# Altium PCB novena_evt1_a.PcbDoc (part 3 of 12) (continued)
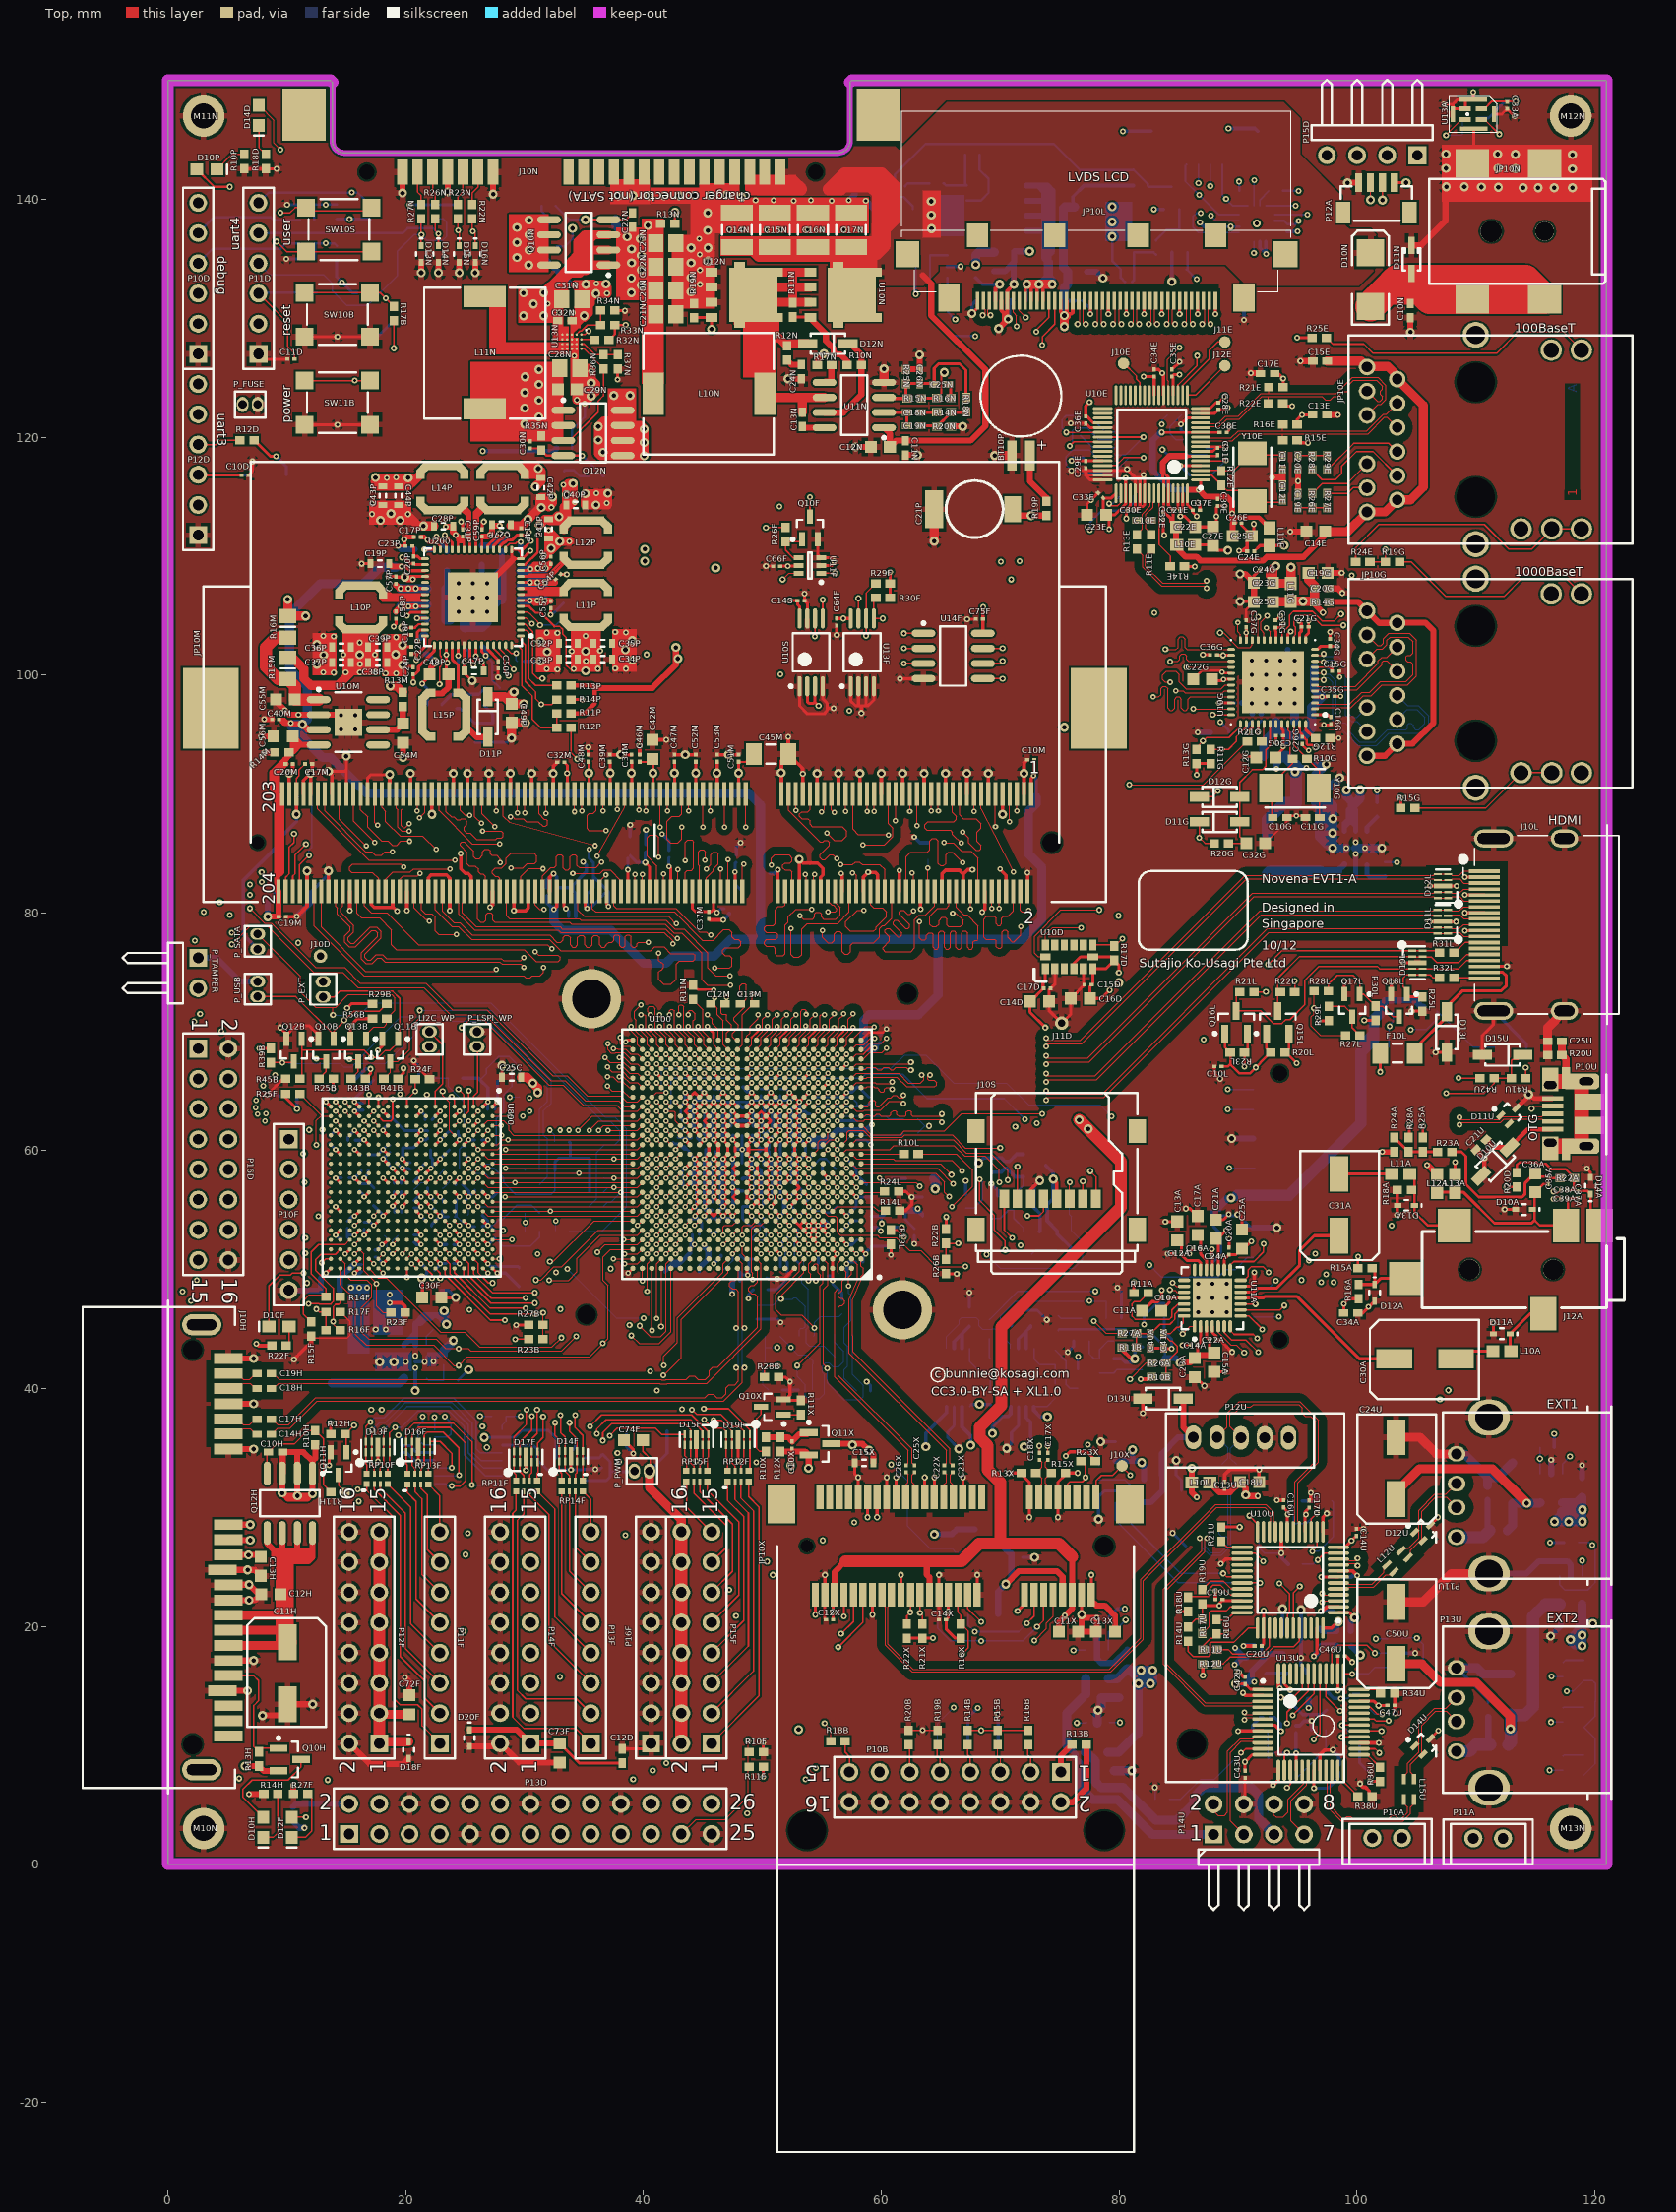
[diagram p0: Top view]
## Part data
BT10P: library part Battery, "Panasonic Manganese Lithium Rechargeable battery"
C10A C10B C10D C10E C10F C10G C10H C10L C10M C10N C10P C10S C10U C10X C11A C11B C11D C11E C11F C11G C11L C11N C11P C11S C11U C11X C12A C12B C12D C12E C12F C12G C12H C12L C12M C12N C12P C12S C12U C12X C13A C13B C13D C13E C13F C13G C13H C13L C13M C13N C13P C13S C13U C13X C14A C14B C14D C14E C14F C14G C14H C14L C14M C14N C14P C14S C14U C14X C15A C15D C15E C15F C15G C15H C15L C15N C15P C15U C15X C16A C16D C16E C16F C16G C16L C16M C16N C16P C16U C16X C17A C17D C17E C17F C17G C17H C17L C17N C17P C17U C17X C18A C18D C18E C18F C18G C18H C18L C18M C18N C18P C18U C18X C19A C19D C19E C19F C19G C19H C19L C19N C19P C19U C19X C20A C20E C20F C20G C20H C20L C20M C20N C20P C20U C20X C21A C21E C21F C21G C21L C21N C21U C21X C22A C22E C22F C22G C22L C22N C22P C22U C22X C23A C23E C23F C23G C23L C23N C23P C23U C23X C24A C24E C24F C24G C24M C24N C24P C24X C25A C25E C25F C25G C25M C25N C25P C25U C25X C26A C26E C26F C26G C26M C26N C26P C26U C26X C27A C27E C27F C27G C27M C27N C27P C27U C27X C28A C28E C28F C28G C28N C28P C28X C29A C29E C29F C29G C29N C29P C29U C30E C30F C30G C30N C30P C30U C31E C31F C31G C31N C31P C31U C32A C32E C32F C32G C32N C32P C32U C33A C33E C33F C33G C33P C34A C34E C34F C34G C34P C35A C35E C35F C35G C35P C36A C36E C36F C36G C36P C37A C37E C37F C37G C37P C37U C38A C38E C38F C38P C38U C39A C39E C39F C39G C39P C39U C40A C40F C40G C40M C40P C40U C41A C41F C41M C41P C41U C42F C42M C42P C42U C43F C43M C43P C43U C44F C44M C44P C44U C45F C45M C45P C45U C46F C46M C46P C46U C47F C47M C47P C47U C48F C48M C48P C48U C49F C49M C49P C49U C50F C50M C50P C51F C51M C51P C51U C52F C52M C52P C52U C53F C53M C53P C53U C54F C54M C54P C54U C55F C55M C55P C55U C56F C56M C56P C56U C57F C57P C58F C58P C59F C59P C60F C60P C61F C62F C63F C64F C65F C66F C67F C68F C69F C70F C71F C72F C73F C74F C75F: library part "Cap Semi", "Capacitor (Semiconductor SIM Model)"
C10C C11C C12C C13C C14C C15C C16C C19C C20C C21C C23C C24C C26C C27C C28C C28U C30C C31C C32C C33C C33U C35C C36C C36U C37C C38C C39C C40C C41C C43C C44C C45C C46C C47C C48C C49C C53C C54C C55C C56C C57C C58C C59C C62C C66C C68C C70C C71C C72C C73C C74C C75C C76C C77C C78C C79C C81C C82C C84C C85C C86C C87C C88C C89C C90C C91C C92C C93C: library part CAP_NP_Dup1, "CAP CER 0.22UF 6.3V 20% X5R 0201"
C11H C24U C30A C31A C50U: library part "Cap Pol3", "Polarized Capacitor (Surface Mount)"
C11M C15M C16H C17M C19M C21H C21M C22M C23M C28M C29M C30M C31M C32M C33M C34M C35M C36M C37M C38M C39M: library part "Cap Semi", "CAP CER 0.22UF 6.3V 20% X5R 0201"
C17C C34U C50C C61C C67C C80C: library part CAP_NP_Dup1, "CAP CER 10UF 6.3V 10% X5R 0603"
C18C C22C C25C C29C C34C C42C C51C C60C C65C: library part CAP_NP_Dup1, "22uF, 10V, X5R, 20%"
C21P: library part "Cap Pol3", "Taiyo Yuden PAS414HR-VA5R"
C52C: library part C
C63C C64C: library part CAP_NP_Dup1, "0.01uF, 10V, X5R"
C69C: library part CAP_NP_Dup1, "CAP CER 2.2UF 25V 10% X5R 0603"
D10A D11A D12A D12D D13A D13D D13N D14A D14N D15N D16N D18F D20F: library part Tranzorb, "On Semi 3.3V standoff TVS diode"
D10C D10D D10G D10N D11D D11F D11G D11P D12G D12N: library part "D Schottky", "Schottky Diode"
D10F D10H D10P D10X D11X D12F D12X D14D: library part LED2, "Typical RED, GREEN, YELLOW, AMBER GaAs LED"
D10U D13L D13U D15U D16U D17U D21F: library part Tranzorb, "Tranzorb"
D11N: library part BIDIR_ESD, "Bidirectional zener diode, Vz 17.1V nom"
D11U D12U D14U: "2-channel ESD/CDE protection device for 5V devices"
F10L: library part FUSE0805, "BelFuse, 50mA hold, 150mA trip"
J10C J10D J10E J10P J10X J11C J11D J11E J12C J12D J12E J13D J14D J15D M10N M11N M12N M13N: library part CON1, "Connector"
J10H J10N: library part SATA_22P_HEADER, "SATA+Power connector"
J10L: library part "Header 19", "Molex HDMI connector, Type A"
J10S: library part MICRO_SD, "Captive Micro-SD card for firmware images"
J12A: library part "Phonejack4 TN", "Jack Socket, 3.5mm, SMT, 4-conductor"
JP10E JP10G: library part UDE_CORP_26-21024JA13-1, "10/100/1000BT + magnetics, symmetric, tab up, with LEDs"
JP10L: library part HRS_FX15S-41S-0.5SH, "41-pin header"
JP10M: library part DDR3_SODIMM, "TE Connectivity 2013311 or equiv (9.2mm height)"
JP10N: library part PWR2.5, "Low Voltage Power Supply Connector"
JP10S: library part HRS_DM1AA_SF_PEJ(21), "SD card connector"
JP10X: library part MINI_PCIE, "Mini PCI-express, e.g. TE 1717831"
L10A L10E L10F L10G L10N L10P L10U L10X L11A L11E L11G L11N L11P L11U L12A L12G L12P L13A L13P L13U L14P L14U L15P: library part "Inductor Iron", "Magnetic-Core Inductor"
L12U L15U: library part USB_EMI_CHOKE, "USB common mode EMI choke (90 ohms)"
P10A P11A P_EXT P_FUSE P_LI2C_WP P_LSPI_WP P_PWM P_SATA P_USB: library part "Header 2", "Header, 2-Pin"
P10B P12F P14F P15F P16D: library part "Header 8X2", "Header, 8-Pin, Dual row"
P10D P10F P11D P12D: library part "Header 6", "Header, 6-Pin"
P10U: library part USB_MINI-AB_1, "Micro USB B type connector, i.e. FCI 10103594"
P11F P13F P16F: library part "Header 8", "Header, 8-Pin"
P11U P13U: library part "Header 4", "Header, 4-Pin"
P12A P15D: library part "Header 4H", "Header, 4-Pin, Right Angle"
P12U: library part "Header 5", "Two items: wifi card plus 5-pin, 2mm pitch male pin header, 3.5 to 4mm tall pins"
P13D: library part "Header 13X2", "Header, 13-Pin, Dual row"
P14D: library part TFT_TP_CON
P14U: library part "Header 4X2H", "Header, 4-Pin, Dual row, Right Angle"
P_TAMPER: library part "Header 2H", "Header, 2-Pin, Right Angle"
Q10A Q10B Q10F Q10S Q10X Q11B Q11H Q11N Q12A Q12B Q12L Q12S Q13B Q13L Q13N Q14L Q15L Q16L Q17L Q18L: library part MOSFET-N, "N-Channel MOSFET"
Q10H Q11A Q11S Q11X Q12X: library part MOSFET-P, "P-Channel MOSFET"
Q10L Q10N Q11L Q12H Q12N: "Singre P-channel FET, 8A, 30V"
R10A R10B R10D R10E R10F R10G R10H R10L R10M R10N R10P R10S R10U R10X R11A R11B R11D R11E R11F R11G R11H R11L R11M R11N R11P R11S R11U R11X R12A R12D R12E R12F R12G R12H R12L R12M R12N R12P R12S R12U R12X R13A R13B R13D R13E R13F R13G R13H R13L R13M R13N R13P R13S R13U R13X R14A R14B R14D R14E R14F R14G R14H R14L R14M R14N R14P R14S R14U R14X R15A R15B R15D R15E R15F R15G R15H R15L R15M R15N R15P R15U R15X R16A R16B R16D R16E R16F R16G R16L R16M R16N R16P R16S R16U R16X R17A R17B R17E R17F R17G R17L R17N R17P R17S R17U R17X R18A R18B R18D R18E R18F R18G R18L R18N R18P R18S R18U R18X R19A R19B R19D R19E R19F R19G R19L R19N R19P R19S R19U R19X R20A R20B R20D R20E R20F R20G R20L R20N R20U R20X R21A R21E R21F R21G R21L R21N R21U R21X R22A R22B R22E R22F R22L R22N R22X R23A R23B R23E R23F R23L R23N R23U R23X R24A R24E R24F R24L R24N R24U R25A R25B R25E R25F R25N R25U R26A R26B R26E R26F R26L R26N R26U R27A R27B R27E R27F R27L R27N R27U R28A R28B R28E R28F R28L R28N R28U R29A R29B R29E R29F R29L R29N R29U R30F R30L R30N R30U R31A R31L R31U R32A R32B R32L R32N R32U R33B R33N R33U R34A R34B R34N R34U R35B R35N R35U R36B R36N R36U R37B R37N R38B R38N R38U R39B R39U R40B R40U R41B R41U R42B R42U R43B R44B R45B R46B R47B R48B R49B R50B R51B R52B R53B R54B R55B R56B R57B: library part Res1, "Resistor"
R17D R22U R37U: library part Res3, "Resistor"
R25L: library part RES#1
RP10F RP11F RP12F RP13F RP14F RP15F: library part RPACK4
SW10B SW10S SW11B: library part "Header 4", "Chi Fung TS-1187A"
U10A U12A: library part NSIWAY_NS4890, "1W 8 ohm low-cost amplifier"
U10D: library part FREESCALE_MMA7455L, "3-axis accelerometer, 10 bit, selectable g-range"
U10E: library part AX88772B_28
U10F U11G: library part LMR10515XSD, "NatSemi 1.5A step-down regulator in LLP"
U10G: library part KSZ9021_0, "Gigabit Ethernet PHY"
U10L U12U U15U U16U: "IC LIN SW W/FLAG 500MA 2.0-5.5V SOT23-5"
U10M: "1.8A sink/source bus termination regulator (VTT)"
U10N U12N: library part NTMFS4841N, "N channel power MOSFET, 30V, 57A SO-8FL"
U10S U13F: library part AT24C08, "8kbit (1kx8) I2C EEPROM"
U10U U13U: library part GLI8024-48_4, "4-port multiple-TT hub with USB charging support"
U10X: library part "ISO7816 (SIM card)", "ISO 7816 SIM card socket"
U11A: library part Everest_ES8328, "Low-cost audio CODEC by Everest"
U11D: "4-wire resistive touchscreen controller"
U11E: library part 93c66_0
U11F: library part SN74AUP1T98DBV, "Single-supply voltage translator, multiple logic function"
U11N: "Synchronous PWM controller, 4.7-28V in, 0.6V ref"
U11U U14U: "1.5A high-side power switch, active low enable"
U12F: library part ADCxx8Sxx2, "12-input SPI ADC, bits & sample rate pin compatible across family"
U13A: "ST Micro silicon microphone, PDM digital output"
U13N: "2.4MHz 5A Sync buck regulator, integrated FET"
U14F: library part EN25P05-50GCP, "512 Mbit (64Kbyte) SPI NOR FLASH, Eon Semi"
U15F: library part LP2980M5, "50 mA SOT-23 regulator"
U100: library part PCIMX6Q6VV1A, "PCIMX6Q5EVT10AC"
U200: "PMIC for i.MX6 series"
U800: "Spartan-6 LX 1.2V FPGA, 200 User I/Os, 324-Ball Chip-Scale BGA (0.8mm Pitch), Speed Grade 2, Commercial Grade, Pb-Free"
Y10B Y10E Y10G Y10U Y11B Y11U: library part XTAL, "Crystal Oscillator"

## Free pads (board coordinates)
  round 1 hole 1.549 unplated: 0(35.2,46.2) 0(62.2,73.2)
  round 5 / inner round 4.2 / far side round 7.3 hole 3.2: 0(35.619,72.781) 0(61.781,46.619)
  rect 2.54x0.051 on Top Overlay: 1(57.877,39.483) 1(57.877,39.533) 1(57.877,39.584) 1(57.877,39.635) 1(57.877,39.686) 1(57.877,39.737) 1(57.877,39.787) 1(57.877,39.838) 1(57.877,39.889) 1(57.877,39.94) 1(57.877,39.991) 1(57.877,40.041) 1(57.978,40.245) 1(62.296,40.245) 1(62.398,39.432) 1(62.398,39.483) 1(62.398,39.533) 1(62.398,39.584) 1(62.398,39.635) 1(62.398,39.838) 1(62.398,39.889) 1(62.398,39.94) 1(62.398,39.991) 1(62.398,40.041)
  rect 2.591x0.051 on Top Overlay: 1(57.902,39.33) 1(57.902,39.381) 1(57.902,39.432) 1(57.902,40.092) 1(57.902,40.143) 1(57.953,39.279) 1(62.322,39.279) 1(62.373,39.33) 1(62.373,39.381) 1(62.373,40.092) 1(62.373,40.143) 1(62.373,40.194) 1(88.348,79.01) 1(88.348,79.061)
  rect 2.642x0.051 on Top Overlay: 1(57.928,40.194)
  rect 0.102x0.051 on Top Overlay: 1(57.978,42.531) 1(59.045,37.298) 1(61.23,37.298) 1(62.296,42.531) 1(82.379,81.601) 1(82.582,82.77) 1(83.242,80.077) 1(83.496,82.82) 1(84.461,82.008) 1(86.392,79.417) 1(86.646,81.754) 1(86.646,81.804) 1(87.103,78.706) 1(87.509,83.024) 1(87.763,82.719) 1(88.068,82.617) 1(88.475,82.617) 1(89.338,81.449) 1(89.44,77.994)
  rect 0.152x0.051 on Top Overlay: 1(58.004,36.993) 1(62.271,36.993) 1(82.76,82.566) 1(83.776,81.703) 1(84.03,81.144) 1(84.487,82.058) 1(84.538,82.109) 1(84.588,82.16) 1(84.639,82.211) 1(84.69,80.026) 1(84.741,82.312) 1(84.893,82.516) 1(84.995,83.024) 1(85.655,78.452) 1(85.655,82.82) 1(86.824,81.5) 1(87.027,82.617) 1(87.687,81.195) 1(87.738,82.77) 1(87.941,82.465) 1(87.992,82.516) 1(87.992,82.922) 1(88.043,82.566) 1(89.008,78.706) 1(89.414,78.807) 1(89.414,81.703) 1(89.414,81.754) 1(89.414,81.804) 1(89.414,81.855) 1(89.414,81.906) 1(89.414,81.957) 1(89.414,82.008) 1(89.414,82.058) 1(89.414,82.109) 1(89.414,82.16) 1(89.414,82.211) 1(89.414,82.262) 1(89.414,82.617) 1(89.414,82.668) 1(89.414,82.719) 1(89.414,82.77) 1(89.414,82.82) 1(89.414,82.871) 1(89.465,80.077) 1(89.922,78.096) 1(89.922,78.147) 1(89.922,78.198) 1(89.922,78.248) 1(89.922,78.299) 1(89.922,78.35) 1(89.922,78.401) 1(89.922,78.452) 1(89.922,78.502)
  rect 0.254x0.051 on Top Overlay: 1(58.004,37.044) 1(58.004,42.48) 1(59.02,37.349) 1(61.255,37.349) 1(62.271,37.044) 1(62.271,42.48) 1(82.353,78.452) 1(82.404,78.502) 1(82.455,78.553) 1(82.455,81.652) 1(82.506,78.604) 1(82.506,81.703) 1(82.556,78.655) 1(82.607,78.706) 1(82.607,81.754) 1(82.658,78.756) 1(82.709,81.804) 1(82.76,78.909) 1(82.76,81.855) 1(82.81,78.96) 1(82.861,81.906) 1(82.912,81.957) 1(82.963,82.008) 1(83.014,82.058) 1(83.064,82.109) 1(83.217,82.262) 1(83.268,82.312) 1(83.318,79.976) 1(83.318,82.363) 1(83.369,82.465) 1(83.42,82.109) 1(83.42,82.516) 1(83.471,82.617) 1(83.572,82.008) 1(83.623,81.957) 1(83.674,81.906) 1(83.725,81.804) 1(83.725,81.855) 1(83.928,77.436) 1(84.08,81.093) 1(84.639,81.5) 1(84.741,81.55) 1(84.792,79.925) 1(84.792,81.601) 1(84.842,79.874) 1(84.893,79.823) 1(84.893,81.652) 1(84.944,81.703) 1(84.995,81.754) 1(85.046,82.973) 1(85.096,82.871) 1(85.096,82.922) 1(85.554,82.465) 1(85.655,78.553) 1(85.655,82.668) 1(86.417,79.468) 1(86.468,79.518) 1(86.519,77.385) 1(86.519,82.465) 1(86.722,82.312) 1(86.773,82.262) 1(86.773,82.871) 1(86.824,81.55) 1(86.925,82.77) 1(86.976,82.719) 1(87.179,78.756) 1(87.382,81.957) 1(87.433,82.008) 1(87.535,82.058) 1(87.586,82.109) 1(87.636,82.16) 1(87.636,82.922) 1(87.687,82.211) 1(87.687,82.871) 1(88.195,78.96) 1(88.246,79.214) 1(88.246,79.264) 1(88.246,79.315) 1(88.246,79.366) 1(88.246,79.417) 1(88.246,79.468) 1(88.246,79.518) 1(88.449,80.077) 1(88.5,80.179) 1(88.5,81.652) 1(88.551,80.23) 1(88.652,81.754) 1(88.703,81.804) 1(89.059,78.655) 1(89.11,81.703) 1(89.313,83.024) 1(89.414,82.922) 1(89.465,78.096) 1(89.922,77.893) 1(89.922,77.944) 1(89.922,77.994)
  rect 0.356x0.051 on Top Overlay: 1(58.004,42.429) 1(58.969,37.4) 1(61.306,37.4) 1(62.271,37.095) 1(62.271,42.429) 1(83.014,79.264) 1(83.115,79.417) 1(83.166,79.518) 1(83.217,79.62) 1(83.217,82.211) 1(83.318,79.925) 1(83.928,77.486) 1(84.08,77.842) 1(84.131,80.89) 1(84.131,81.042) 1(85.096,79.62) 1(85.096,82.312) 1(85.147,79.569) 1(85.655,78.655) 1(86.57,82.414) 1(86.671,79.671) 1(86.722,79.722) 1(86.824,82.82) 1(87.078,80.026) 1(87.128,80.128) 1(87.179,80.179) 1(87.23,80.23) 1(87.281,80.28) 1(87.281,80.331) 1(87.332,80.382) 1(87.382,80.433) 1(87.382,80.484) 1(87.433,80.534) 1(87.535,80.687) 1(87.738,77.994) 1(87.738,81.093) 1(87.789,78.045) 1(87.84,78.096) 1(87.84,78.147) 1(87.89,78.198) 1(87.941,78.248) 1(87.992,78.35) 1(88.043,78.452) 1(88.602,77.842) 1(88.652,80.382) 1(88.703,80.433) 1(89.11,78.604) 1(89.16,78.553) 1(89.313,81.601) 1(89.313,82.363) 1(89.364,82.973) 1(89.414,78.248) 1(89.922,77.842)
  rect 0.406x0.051 on Top Overlay: 1(58.029,37.095) 1(82.785,82.617) 1(83.191,79.569) 1(83.242,79.671) 1(83.293,79.722) 1(83.445,82.77) 1(83.496,77.842) 1(83.953,77.537) 1(84.157,80.941) 1(85.071,82.668) 1(85.173,79.518) 1(85.223,79.468) 1(85.274,79.417) 1(85.325,79.366) 1(85.325,82.008) 1(85.325,82.211) 1(85.376,79.264) 1(85.376,82.058) 1(85.63,78.706) 1(85.63,78.756) 1(85.63,78.807) 1(86.849,81.601) 1(87.459,77.791) 1(87.56,77.842) 1(87.56,80.738) 1(87.611,77.893) 1(87.611,80.788) 1(87.662,77.944) 1(87.662,80.839) 1(87.763,81.042) 1(88.627,77.791) 1(88.678,77.74) 1(88.779,80.687) 1(89.237,78.502) 1(89.287,78.452) 1(89.287,81.652) 1(89.287,82.312) 1(89.338,78.401) 1(89.389,78.299) 1(89.389,78.35) 1(89.948,77.791)
  rect 0.508x0.051 on Top Overlay: 1(58.029,37.146) 1(58.029,42.378) 1(62.246,37.146) 1(83.242,82.16) 1(83.344,79.772) 1(83.344,79.823) 1(84.919,82.363) 1(85.274,82.262) 1(86.747,77.486) 1(86.849,81.652) 1(86.9,77.537) 1(87.052,77.588) 1(87.763,80.992) 1(88.83,80.534) 1(89.948,77.74)
  rect 0.61x0.051 on Top Overlay: 1(58.029,42.327) 1(62.246,37.197) 1(62.246,42.327) 1(83.903,77.639) 1(85.528,82.77) 1(86.9,81.703) 1(88.779,82.465)
  rect 0.66x0.051 on Top Overlay: 1(58.055,37.197)
  rect 0.762x0.051 on Top Overlay: 1(58.055,37.247) 1(58.055,42.277) 1(62.22,37.247) 1(82.963,82.668) 1(83.877,77.69)
  rect 0.864x0.051 on Top Overlay: 1(58.055,37.298) 1(58.055,42.226) 1(60.137,43.293) 1(62.22,37.298) 1(62.22,42.226)
  rect 0.965x0.051 on Top Overlay: 1(58.055,42.175) 1(60.137,43.14) 1(60.137,43.191) 1(60.137,43.242) 1(62.22,42.175) 1(83.776,77.791)
  rect 1.016x0.051 on Top Overlay: 1(58.08,37.349) 1(60.163,43.089) 1(62.195,37.349)
  rect 1.118x0.051 on Top Overlay: 1(58.08,37.4) 1(58.08,42.124) 1(60.163,42.785) 1(62.195,37.4) 1(62.195,42.124) 1(83.09,82.719)
  rect 2.337x0.051 on Top Overlay: 1(58.08,39.229) 1(61.433,40.753) 1(62.195,39.229)
  rect 1.219x0.051 on Top Overlay: 1(58.08,42.073) 1(60.163,42.531) 1(62.195,42.073)
  rect 2.286x0.051 on Top Overlay: 1(58.156,40.295) 1(58.867,40.753) 1(62.169,40.295)
  rect 2.134x0.051 on Top Overlay: 1(58.232,39.178) 1(58.74,40.702) 1(61.534,40.702) 1(62.042,39.178)
  rect 1.829x0.051 on Top Overlay: 1(58.283,37.552) 1(58.385,37.806) 1(58.436,37.857) 1(58.436,37.908) 1(58.436,40.397) 1(58.486,37.959) 1(58.486,39.025) 1(58.486,39.076) 1(58.486,40.448) 1(58.537,40.499) 1(58.69,38.467) 1(58.69,38.517) 1(61.585,38.467) 1(61.585,38.517) 1(61.788,39.025) 1(61.788,40.448) 1(61.839,37.908) 1(61.839,39.076) 1(61.839,40.397) 1(61.89,37.806) 1(61.992,37.552)
  rect 1.93x0.051 on Top Overlay: 1(58.283,37.603) 1(58.537,38.975) 1(58.588,38.924) 1(58.588,40.6) 1(58.69,38.619) 1(58.69,38.67) 1(61.585,38.619) 1(61.585,38.67) 1(61.687,38.924) 1(61.687,40.6) 1(61.992,37.603)
  rect 2.032x0.051 on Top Overlay: 1(58.283,40.346) 1(58.69,38.721) 1(58.69,38.771) 1(58.69,38.822) 1(61.585,38.721) 1(61.585,38.771) 1(61.636,38.822) 1(61.992,40.346)
  rect 1.778x0.051 on Top Overlay: 1(58.309,37.501) 1(58.512,38.009) 1(58.512,38.06) 1(58.563,38.111) 1(58.613,38.213) 1(61.661,38.213) 1(61.712,38.111) 1(61.763,38.009) 1(61.763,38.06) 1(61.814,37.959) 1(61.966,37.501) 1(88.195,80.585) 1(89.313,82.516)
  rect 1.88x0.051 on Top Overlay: 1(58.309,37.654) 1(58.359,37.705) 1(58.359,37.755) 1(58.41,39.127) 1(58.563,40.549) 1(58.715,38.568) 1(61.611,38.568) 1(61.712,40.549) 1(61.763,38.975) 1(61.763,40.499) 1(61.865,37.857) 1(61.865,39.127) 1(61.915,37.755) 1(61.966,37.654) 1(61.966,37.705)
  rect 1.727x0.051 on Top Overlay: 1(58.334,37.451) 1(58.588,38.162) 1(58.639,38.263) 1(58.69,38.314) 1(58.69,38.365) 1(58.69,38.416) 1(60.163,42.226) 1(61.585,38.365) 1(61.585,38.416) 1(61.636,38.263) 1(61.687,38.162) 1(88.17,80.636) 1(89.338,77.69)
  rect 1.981x0.051 on Top Overlay: 1(58.613,38.873) 1(58.664,40.651) 1(60.137,42.175) 1(61.611,40.651) 1(61.661,38.873)
  rect 4.826x0.051 on Top Overlay: 1(60.137,40.803) 1(60.137,40.854) 1(60.137,41.311)
  rect 4.724x0.051 on Top Overlay: 1(60.137,40.905) 1(60.137,40.956) 1(60.137,41.261)
  rect 4.623x0.051 on Top Overlay: 1(60.137,41.007) 1(60.137,41.057) 1(60.137,41.108) 1(60.137,41.159)
  rect 4.928x0.051 on Top Overlay: 1(60.137,41.413)
  rect 5.029x0.051 on Top Overlay: 1(60.137,41.464)
  rect 5.131x0.051 on Top Overlay: 1(60.137,41.565)
  rect 5.232x0.051 on Top Overlay: 1(60.137,41.616)
  rect 5.334x0.051 on Top Overlay: 1(60.137,41.667) 1(60.137,41.718)
  rect 5.436x0.051 on Top Overlay: 1(60.137,41.769) 1(60.137,42.023)
  rect 5.537x0.051 on Top Overlay: 1(60.137,41.819) 1(60.137,41.87) 1(60.137,41.972)
  rect 5.639x0.051 on Top Overlay: 1(60.137,41.921)
  rect 2.489x0.051 on Top Overlay: 1(60.137,42.073) 1(62.423,39.686) 1(62.423,39.737) 1(62.423,39.787)
  rect 2.184x0.051 on Top Overlay: 1(60.137,42.124)
  rect 1.473x0.051 on Top Overlay: 1(60.137,42.277) 1(89.313,77.537)
  rect 1.27x0.051 on Top Overlay: 1(60.137,42.327) 1(60.137,42.378) 1(60.137,42.429) 1(60.137,42.48) 1(89.516,82.566)
  rect 1.168x0.051 on Top Overlay: 1(60.137,42.581) 1(60.137,42.632) 1(60.137,42.683) 1(60.137,42.734)
  rect 1.067x0.051 on Top Overlay: 1(60.137,42.835) 1(60.137,42.886) 1(60.137,42.937) 1(60.137,42.988) 1(60.137,43.039)
  rect 4.674x0.051 on Top Overlay: 1(60.163,41.21)
  rect 4.877x0.051 on Top Overlay: 1(60.163,41.362)
  rect 5.08x0.051 on Top Overlay: 1(60.163,41.515)
  rect 1.676x0.051 on Top Overlay: 1(61.611,38.314) 1(61.966,37.451) 1(89.313,77.639)
  rect 0.711x0.051 on Top Overlay: 1(62.246,42.277)
  rect 0.457x0.051 on Top Overlay: 1(62.271,42.378) 1(83.369,79.874) 1(84.182,80.992) 1(85.35,79.315) 1(85.401,79.214) 1(85.452,79.163) 1(85.503,79.061) 1(85.503,79.112) 1(85.554,78.96) 1(85.554,79.01) 1(85.604,78.858) 1(85.604,78.909) 1(86.62,77.436) 1(87.078,79.976) 1(87.179,77.639) 1(87.281,77.69) 1(87.382,77.74) 1(87.687,80.89) 1(87.738,80.941) 1(88.754,80.484)
  rect 0.203x0.051 on Top Overlay: 1(82.328,78.401) 1(83.293,80.026) 1(83.344,82.414) 1(83.445,82.566) 1(83.75,81.754) 1(83.903,77.385) 1(84.563,81.449) 1(84.715,79.976) 1(84.715,82.262) 1(84.817,82.414) 1(84.868,82.465) 1(84.919,82.566) 1(84.969,82.617) 1(85.02,82.77) 1(85.071,81.804) 1(85.071,82.82) 1(85.122,81.855) 1(85.173,81.906) 1(85.223,81.957) 1(85.477,82.312) 1(85.477,82.363) 1(85.528,82.414) 1(85.579,82.516) 1(85.63,78.502) 1(85.63,82.566) 1(85.63,82.617) 1(86.798,82.211) 1(87.001,82.668) 1(87.56,82.973) 1(87.713,81.144) 1(87.713,82.82) 1(87.763,82.262) 1(87.814,82.312) 1(87.814,83.125) 1(87.865,82.363) 1(87.916,82.414) 1(87.916,83.024) 1(87.967,82.973) 1(88.373,79.976) 1(88.424,80.026) 1(88.424,81.601) 1(88.475,80.128) 1(88.525,82.566) 1(88.576,81.703) 1(88.627,82.414) 1(88.779,80.788) 1(88.779,81.855) 1(88.83,81.906) 1(88.881,81.957) 1(88.932,82.008) 1(88.983,82.058) 1(89.033,81.754) 1(89.033,82.109) 1(89.084,82.16) 1(89.135,82.211) 1(89.186,82.262) 1(89.338,81.5) 1(89.44,78.045) 1(89.491,80.026) 1(89.897,78.045)
  rect 0.305x0.051 on Top Overlay: 1(82.683,78.807) 1(82.734,78.858) 1(82.836,79.01) 1(82.887,79.061) 1(82.937,79.112) 1(82.937,79.163) 1(82.988,79.214) 1(83.039,79.315) 1(83.09,79.366) 1(83.141,79.468) 1(83.496,82.058) 1(83.547,82.668) 1(84.106,77.893) 1(84.106,77.944) 1(84.106,77.994) 1(84.106,78.045) 1(84.106,78.096) 1(84.106,78.147) 1(84.106,78.198) 1(84.106,78.248) 1(84.106,78.299) 1(84.106,78.35) 1(84.106,78.401) 1(84.106,78.452) 1(84.106,78.502) 1(84.106,78.553) 1(84.106,78.604) 1(84.106,78.655) 1(84.106,78.706) 1(84.106,78.756) 1(84.106,78.807) 1(84.106,78.858) 1(84.106,78.909) 1(84.106,78.96) 1(84.106,79.01) 1(84.106,79.061) 1(84.106,79.112) 1(84.106,79.163) 1(84.106,79.214) 1(84.106,79.264) 1(84.106,79.315) 1(84.106,79.366) 1(84.106,79.417) 1(84.106,79.468) 1(84.106,79.518) 1(84.106,79.569) 1(84.106,79.62) 1(84.106,79.671) 1(84.106,79.722) 1(84.106,79.772) 1(84.106,79.823) 1(84.106,79.874) 1(84.106,79.925) 1(84.106,79.976) 1(84.106,80.026) 1(84.106,80.077) 1(84.106,80.128) 1(84.106,80.179) 1(84.106,80.23) 1(84.106,80.28) 1(84.106,80.331) 1(84.106,80.382) 1(84.106,80.433) 1(84.106,80.484) 1(84.106,80.534) 1(84.106,80.585) 1(84.106,80.636) 1(84.106,80.687) 1(84.106,80.738) 1(84.106,80.788) 1(84.106,80.839) 1(84.919,79.772) 1(84.969,79.722) 1(85.02,79.671) 1(85.376,82.109) 1(85.376,82.16) 1(85.63,78.604) 1(86.544,79.569) 1(86.595,79.62) 1(86.697,82.363) 1(86.798,79.772) 1(87.103,80.077) 1(87.103,81.754) 1(87.154,81.804) 1(87.205,78.807) 1(87.205,78.858) 1(87.205,78.909) 1(87.205,78.96) 1(87.205,79.112) 1(87.205,79.163) 1(87.205,79.214) 1(87.205,79.264) 1(87.205,79.315) 1(87.205,79.366) 1(87.205,79.417) 1(87.205,79.468) 1(87.205,79.518) 1(87.205,79.569) 1(87.205,79.62) 1(87.205,79.671) 1(87.205,79.722) 1(87.205,79.772) 1(87.255,81.855) 1(87.306,81.906) 1(87.865,83.074) 1(87.967,78.299) 1(88.017,78.401) 1(88.068,78.502) 1(88.068,78.553) 1(88.119,78.604) 1(88.119,78.655) 1(88.119,78.706) 1(88.17,78.756) 1(88.17,78.807) 1(88.17,78.858) 1(88.17,78.909) 1(88.221,79.112) 1(88.221,79.163) 1(88.271,79.569) 1(88.271,79.62) 1(88.271,79.671) 1(88.271,79.722) 1(88.271,79.772) 1(88.576,77.893) 1(88.576,77.944) 1(88.576,77.994) 1(88.576,78.045) 1(88.576,78.096) 1(88.576,78.147) 1(88.576,78.198) 1(88.576,78.248) 1(88.576,78.299) 1(88.576,78.35) 1(88.576,78.401) 1(88.576,78.452) 1(88.576,78.502) 1(88.576,78.553) 1(88.576,78.604) 1(88.576,78.655) 1(88.576,78.706) 1(88.576,78.756) 1(88.576,78.807) 1(88.576,78.858) 1(88.576,78.909) 1(88.576,78.96) 1(88.576,80.28) 1(88.627,80.331) 1(88.779,80.738) 1(89.338,81.55) 1(89.338,82.414) 1(89.338,82.465) 1(89.44,78.147) 1(89.44,78.198) 1(89.491,78.858) 1(89.491,78.909) 1(89.491,78.96) 1(89.491,79.112) 1(89.491,79.163) 1(89.491,79.214) 1(89.491,79.264) 1(89.491,79.315) 1(89.491,79.366) 1(89.491,79.417) 1(89.491,79.468) 1(89.491,79.518) 1(89.491,79.569) 1(89.491,79.62) 1(89.491,79.671) 1(89.491,79.722) 1(89.491,79.772) 1(89.491,79.976) 1(89.948,82.617)
  rect 0.914x0.051 on Top Overlay: 1(83.801,77.74) 1(85.376,82.719)
  rect 0.559x0.051 on Top Overlay: 1(83.928,77.588)
  rect 0.051x0.051 on Top Overlay: 1(84.538,81.398) 1(84.69,80.077) 1(87.992,82.871) 1(88.398,81.55) 1(88.754,80.839) 1(89.008,81.804)
  rect 2.997x0.051 on Top Overlay: 1(88.195,79.823) 1(88.246,79.874)
  rect 2.946x0.051 on Top Overlay: 1(88.271,79.925)
  rect 1.372x0.051 on Top Overlay: 1(89.313,77.486)
  rect 1.626x0.051 on Top Overlay: 1(89.338,77.588)

## Via types
v1: diameter 0.508, hole 0.254, Top to Bot, tented both sides, 940 vias
v2: diameter 0.457, hole 0.203, Top to Bot, tented both sides, 793 vias
v3: diameter 0.762, hole 0.381, Top to Bot, tented both sides, 325 vias
v4: diameter 0.66, hole 0.33, Top to Bot, tented both sides, 23 vias
v5: diameter 0.66, hole 0.33, Top to Bot, tented top, 16 vias
v6: diameter 0.5, hole 0.254, Top to Bot, tented both sides, 8 vias

## Nets (pads, with @x,y where several pads share a name; then routed paths per layer and width w, separated by ;. In a path a pad name is that pad's centre, name@x,y a point inside that pad or via, vN(x,y) a via of type N, cw(c..) or ccw(c..) an arc to the next point about the centre after c; other vN are vias at no path point)
ACCEL_INT: R17D.1 U10D.8 U100.V25 | length 197.1
  Top w0.102: v1(5.375,77.35) 6.88,78.855 8.404,78.855 12.259,75 14.684,75 15.984,73.7 21.534,73.7 23.784,71.45 26.65,71.45 32.2,65.9 33.425,65.9 35.125,64.2 37.9,64.2 38.4,63.7 U100.V25@39.1,63.7
  Top w0.127: U10D.8@77.8,77.3 79.5,77.3 R17D.1@79.6,77.2 79.65,77.2 v1(80.275,77.825)
  L4 w0.102: v1(5.375,77.35) 4.525,78.2 4.525,80.225 5.2,80.9 5.2,83.05 4.25,84 4.25,106.35 15.425,117.525 22.225,117.525 24.6,119.9 33,119.9 34.6,121.5 40.625,121.5 41.75,120.375 41.75,114.8 44.825,111.725 60.775,111.725 65.525,106.975 69.025,106.975 70.775,105.225 v1(82.975,105.225)
  L8 w0.102: v1(80.275,77.825) 80.275,78.7 80.6,79.025 80.6,90.025 80.4,90.225 80.4,91.225 80.975,91.8 80.975,103.225 v1(82.975,105.225)
ANA_IN0: D13F.1 D13F.10 RP10F.8 U12F.4 | length 19.7
  Top w0.127: RP10F.8@16.712,32.85 16.712,33.613 16.65,33.675 D13F.1@16.65,34.637 D13F.10@16.65,35.512 16.65,36.8 v1(17.025,37.175)
  Bot w0.127: v1(17.025,37.175) 17.375,37.525 18.175,37.525 19.825,39.175 24.05,39.175 25.9,37.325 25.9,34.975 26.275,34.6 U12F.4@28.125,34.6
ANA_IN1: D13F.2 D13F.9 RP10F.7 U12F.5 | length 19.1
  Top w0.127: v1(17.15,36.5) D13F.9@17.15,35.512 D13F.2@17.15,34.637 17.15,33.6 17.35,33.4 RP10F.7@17.35,32.85
  Bot w0.127: v1(17.15,36.5) 17.8,37.15 18.275,37.15 19.925,38.8 23.9,38.8 25.575,37.125 25.575,34.7 26.325,33.95 U12F.5@28.125,33.95
ANA_IN2: D13F.4 D13F.7 RP10F.6 U12F.6 | length 18.1
  Top w0.127: RP10F.6@17.85,32.85 17.85,33.325 18.15,33.625 D13F.4@18.15,34.637 D13F.7@18.15,35.512 v1(18.15,36.525)
  Bot w0.127: v1(18.15,36.525) 20.1,38.475 23.725,38.475 25.25,36.95 25.25,34.6 26.55,33.3 U12F.6@28.125,33.3
ANA_IN3: D13F.5 D13F.6 RP10F.5 U12F.7 | length 17.4
  Top w0.127: RP10F.5@18.487,32.85 18.487,33.362 18.65,33.525 D13F.5@18.65,34.637 D13F.6@18.65,35.512 18.65,36.275 v1(19.1,36.725)
  Bot w0.127: v1(19.1,36.725) 19.625,36.725 21.025,38.125 23.6,38.125 24.925,36.8 24.925,34.425 26.7,32.65 U12F.7@28.125,32.65
ANA_IN4: D16F.1 D16F.10 RP13F.8 U12F.8 | length 16.4
  Top w0.127: RP13F.8@20.137,32.825 20.137,33.563 20.05,33.65 D16F.1@20.05,34.663 D16F.10@20.05,35.538 20.05,36.425 20.725,37.1 24,37.1 25.575,35.525 v1(25.575,31.875)
  Bot w0.127: v1(25.575,31.875) 26.4,31.875 26.55,32.025 28.1,32.025 U12F.8@28.125,32
ANA_IN5: D16F.2 D16F.9 RP13F.7 U12F.9 | length 14.8
  Top w0.127: RP13F.7@20.775,32.825 20.775,33.275 20.55,33.5 D16F.2@20.55,34.663 D16F.9@20.55,35.538 20.55,36.225 21.05,36.725 23.725,36.725 25.05,35.4 25.05,32.25 24.6,31.8 v1(23.875,31.8)
  Bot w0.127: U12F.9@22.425,32 23.35,32 23.55,31.8 v1(23.875,31.8)
ANA_IN6: D16F.4 D16F.7 RP13F.6 U12F.10 | length 11.3
  Top w0.127: RP13F.6@21.275,32.825 21.275,33.225 21.55,33.5 D16F.4@21.55,34.663 D16F.7@21.55,35.538 21.55,36.1 21.775,36.325 23.15,36.325 24.475,35 v1(24.475,32.7)
  Bot w0.127: U12F.10@22.425,32.65 24.425,32.65 v1(24.475,32.7)
ANA_IN7: D16F.5 D16F.6 RP13F.5 U12F.11 | length 7.7
  Top w0.127: RP13F.5@21.912,32.825 21.912,33.288 22.05,33.425 D16F.5@22.05,34.663 D16F.6@22.05,35.538 22.888,35.538 23.875,34.55 v1(23.875,33.325)
  Bot w0.127: U12F.11@22.425,33.3 22.45,33.325 v1(23.875,33.325)
ANA_IN_X0: P11F.1 RP10F.1 | length 25.2
  Top w0.127: RP10F.1@16.712,31.95 16.712,31.438 19.05,29.1 19.05,13.875 19.525,13.4 21,13.4 21.375,13.025 21.375,11.645 P11F.1@22.86,10.16
ANA_IN_X1: P11F.2 RP10F.2 | length 21.5
  Top w0.127: RP10F.2@17.35,31.95 17.35,31.525 19.55,29.325 19.55,17.45 21.575,15.425 21.575,13.985 P11F.2@22.86,12.7
ANA_IN_X2: P11F.3 RP10F.3 | length 18.8
  Top w0.127: RP10F.3@17.85,31.95 17.85,31.625 19.95,29.525 19.95,18.15 P11F.3@22.86,15.24
ANA_IN_X3: P11F.4 RP10F.4 | length 16
  Top w0.127: RP10F.4@18.487,31.95 20.4,30.037 20.4,20.24 P11F.4@22.86,17.78
ANA_IN_X4: P11F.5 RP13F.1 | length 12.7
  Top w0.127: RP13F.1@20.137,31.925 20.137,31.238 20.875,30.5 20.875,22.305 P11F.5@22.86,20.32
ANA_IN_X5: P11F.6 RP13F.2 | length 9.9
  Top w0.127: RP13F.2@20.775,31.925 20.775,31.3 21.35,30.725 21.35,24.37 P11F.6@22.86,22.86
ANA_IN_X6: P11F.7 RP13F.3 | length 7.2
  Top w0.127: RP13F.3@21.275,31.925 21.275,31.6 21.825,31.05 21.825,26.435 P11F.7@22.86,25.4